# Altium PCB YarnControl_Connect_v1.2.PcbDoc
Units mm, origin at the board's own origin, x right, y up, seen from the top; angles counter-clockwise.
Board outline 140 x 55 mm, 2 copper layers (Top Layer, Bottom Layer); 17 components, 30 nets, 78 pads, 0 vias.
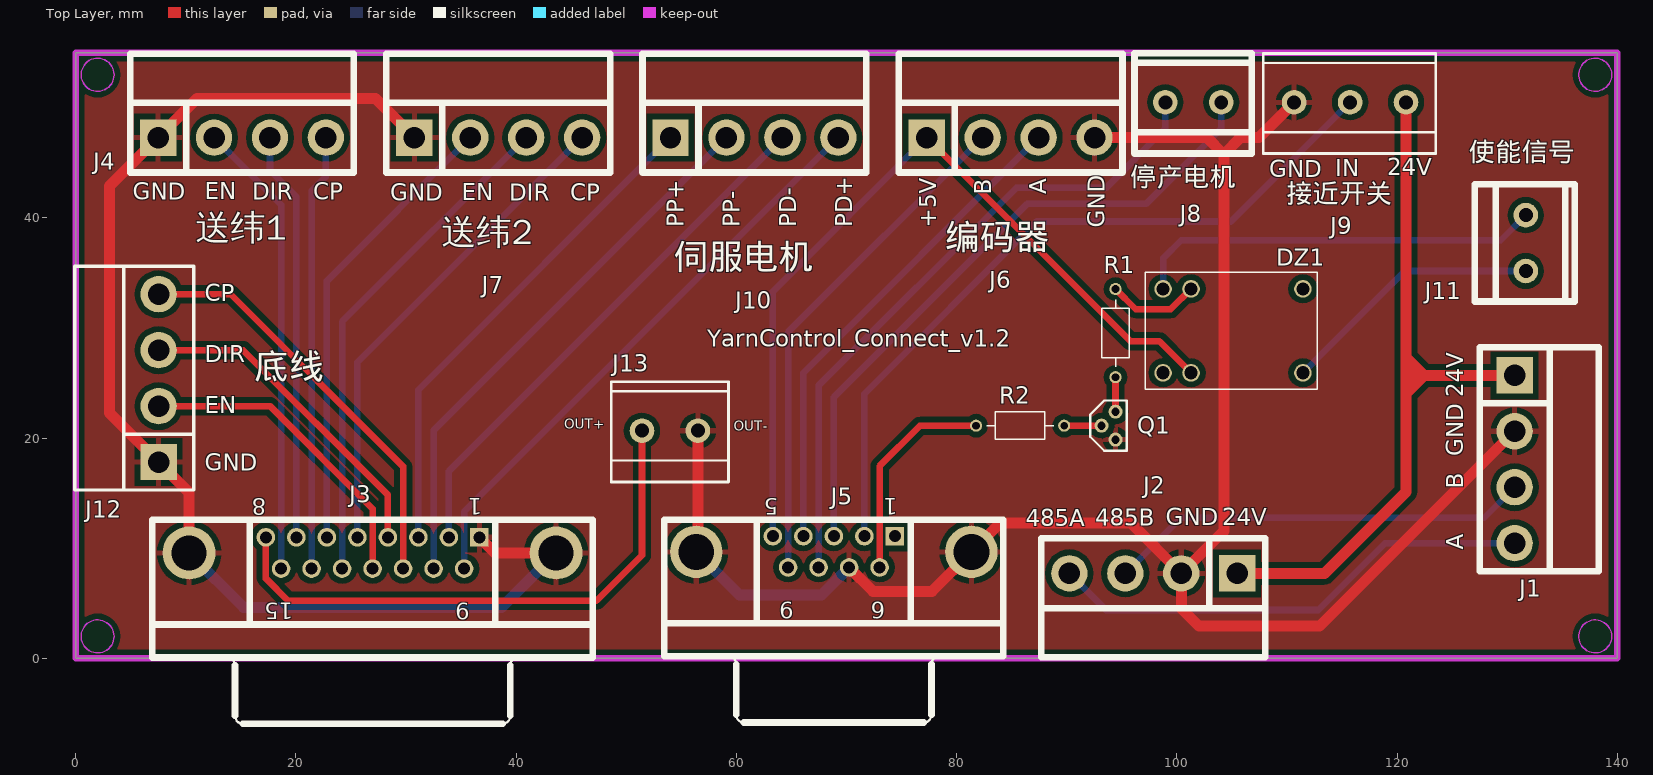
[diagram p0: Top Layer view]
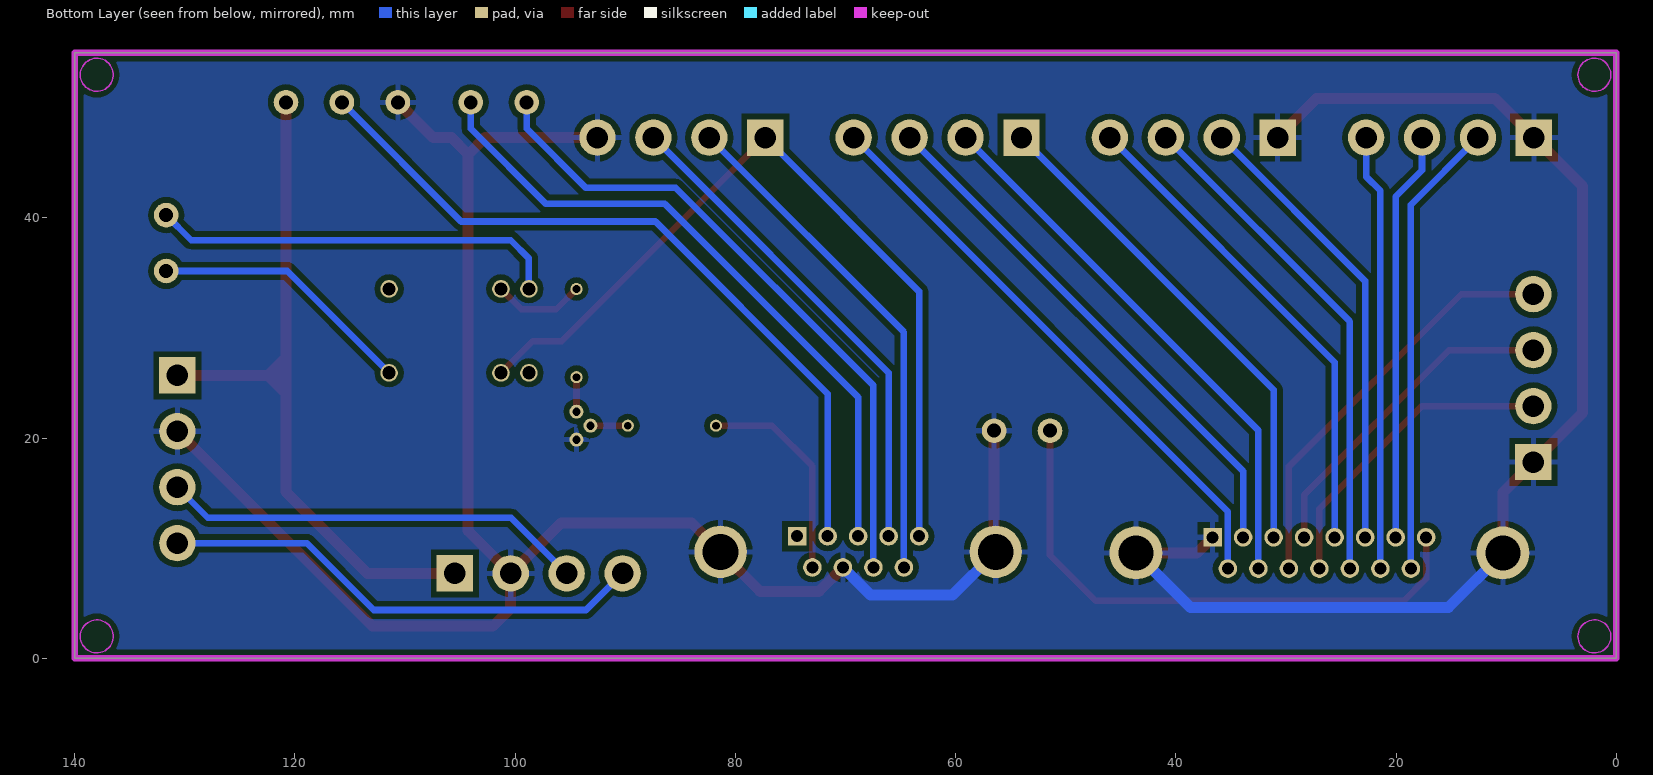
[diagram p1: Bottom Layer view, seen from below]

## Layer stack, top to bottom
Top Layer: signal copper 0.0356
Dielectric: dielectric 0.32, FR-4, Dk 4.8
Bottom Layer: signal copper 0.0356

## Board outline
0,0 140,0 140,55 0,55

## Design rules (kind name [scope] priority, off if disabled: settings)
Clearance Clearance_1 [inpoly] p1: gap=0.508
Clearance [All] p2: gap=0.203
Height [All] p1: minheight=0 maxheight=50 prefheight=12.7
HoleSize [All] p1: absolutevalues=TRUE maxlimit=4 minlimit=0.025 maxpercent=80.000 minpercent=20.000
MinimumSolderMaskSliver [All] p1: minsoldermaskwidth=0
PolygonConnect [All] p1: connectstyle=Relief reliefconductorwidth=0.508 reliefentries=4 polygonreliefangle="90 Angle"
RoutingVias [All] p1: holewidth=0.3 width=1.27 viastyle="Through Hole" minholewidth=0.3 minwidth=0.6 maxholewidth=0.711 maxwidth=1.27
SilkToSilkClearance [All] p1: silktosilkclearance=0
SilkscreenOverComponentPads [All] p1: minsilkscreentomaskgap=0
SolderMaskExpansion [All] p1: expansion=0.102
Width [All] p1: maxlimit=3 minlimit=0.203 preferedwidth=0.254
23 further rules are at their usual default settings.

## Components (designator, comment, footprint, x,y, rotation, side; value= is the part's Value field where it differs from the comment)
DZ1 "HRS1H-S-5V" HRS1H-S-DC5 105.105,29.743 r0 top
J1 "SH-4" PWR 130.683,25.705 r90 top
J2 "SH-4" PWR 105.486,7.722 r0 top
J3 "D Connector 15" DSUB1.385-2H15 26.975,0.078 r180 top
J4 "SH-4" PWR 7.493,47.295 r180 top
J5 "D Connector 9" DSUB1.385-2H9 68.859,0.178 r180 top
J6 "SH-4" PWR 77.292,47.295 r180 top
J7 "SH-4" PWR 30.759,47.295 r180 top
J8 "SH-2" J508-2(1) 101.498,50.495 r0 top
J9 "SH-3" J508-3 110.655,50.495 r0 top
J10 "SH-4" PWR 54.026,47.295 r180 top
J11 "SH-2" J508-2(1) 131.699,37.719 r270 top
J12 "SH-4" PWR 7.544,17.831 r270 top
J13 "SH-2" J508-2(1) 53.975,20.676 r0 top
Q1 "8050" 901X 93.802,21.133 r270 top
R1 "0R" RES-TH-E12 94.437,29.54 r90 top
R2 "10K" RES-TH-E12 85.776,21.133 r180 top

## Footprints (in the part's own frame and the unit in brackets; to place one, negate y for a bottom-side part, rotate by r counter-clockwise, add the part's x,y. Pads: shape width x height; smd on the part's side, far side on the other; paste and mask are expansions set on the pad)
901X [mil]
  round 50 hole 30: 1(-50,25) 2(0,-25) 3(50,25)
  silkscreen extent -90,-65 90,65
DSUB1.385-2H9 [mm] "Connector; D Subminiature; 9 Position; Right Angle; Pitch 1.385 mm"
  rect 1.69x1.69 hole 1.09: 1(-5.54,-10.92)
  round 1.69 hole 1.09: 2(-2.77,-10.92) 3(0,-10.92) 4(2.77,-10.92) 5(5.54,-10.92) 6(-4.155,-8.08) 7(-1.385,-8.08) 8(1.385,-8.08) 9(4.155,-8.08)
  round 4.76 hole 3.26: 10(-12.495,-9.5) 11(12.495,-9.5)
  silkscreen extent -15.4,-12.4 15.4,6
DSUB1.385-2H15 [mm] "Connector; D Subminiature; 15 Position; Right Angle; Pitch 1.385 mm"
  rect 1.69x1.69 hole 1.09: 1(-9.695,-10.92)
  round 1.69 hole 1.09: 2(-6.925,-10.92) 3(-4.155,-10.92) 4(-1.385,-10.92) 5(1.385,-10.92) 6(4.155,-10.92) 7(6.925,-10.92) 8(9.695,-10.92) 9(-8.31,-8.08) 10(-5.54,-8.08) 11(-2.77,-8.08) 12(0,-8.08) 13(2.77,-8.08) 14(5.54,-8.08) 15(8.31,-8.08)
  round 4.8 hole 3.18: 16(-16.66,-9.5) 17(16.66,-9.5)
  silkscreen extent -20,-12.5 20,6
HRS1H-S-DC5 [mm]
  round 1.6 hole 1.2: 1(-6.35,-3.81) 2(-3.81,-3.81) 3(6.35,-3.81) 4(6.35,3.81) 5(-3.81,3.81) 6(-6.35,3.81)
  silkscreen extent -7.95,-5.31 7.65,5.31
J508-2(1) [mil]
  round 88 hole 50: 1(-100,0) 2(100,0)
  silkscreen extent -210,-183 209,175
J508-3 [mil]
  round 88 hole 50: 1(0,0) 2(200,0) 3(400,0)
  silkscreen extent -110,-183 506,175
PWR [mil]
  rect 130x130 hole 76.77: 1(0,0)
  round 130 hole 76.77: 2(-200,0) 3(-400,0) 4(-600,0)
  silkscreen extent -700,-300 100,125
RES-TH-E12 [mm]
  round 1.1 hole 0.7: 1(-4,0) 2(4,0)
  silkscreen extent -3.05,-1.25 3.05,1.25, body extent -2.74,-0.91 2.79,0.91, height 2.91

## Part data
J3: "Receptacle Assembly, 15 Position, Right Angle"
J5: "Receptacle Assembly, 9 Position, Right Angle"
Q1: library part NPN
R1 R2: library part RES, "电阻"

## Nets (pads, with @x,y where several pads share a name; then routed paths per layer and width w, separated by ;. In a path a pad name is that pad's centre, name@x,y a point inside that pad or via, vN(x,y) a via of type N, cw(c..) or ccw(c..) an arc to the next point about the centre after c; other vN are vias at no path point)
+5V: DZ1.2 J5.5 J6.1 | length 74.8
  Top Layer w0.6: J6.1 95.783,28.804 98.425,28.804 DZ1.2
  Bottom Layer w0.6: J5.5 63.319,33.322 J6.1
+24V: J1.1 J2.1 J9.3 | length 95.4
  Top Layer w0.6: 120.815,23.05 J9.3
  Top Layer w1: J2.1 113.411,7.722 120.815,15.126 J9.3 ; 120.815,24.066 122.453,25.705 ; 120.815,27.343 122.453,25.705 ; 121.094,25.705 122.453,25.705 ; J1.1 122.453,25.705
CLOSE_SW_IN: J5.2 J9.2 | length 68
  Bottom Layer w0.6: J5.2 71.629,24.03 87.274,39.675 104.915,39.675 J9.2
DAC_OUT: J3.8 J13.1 | length 50.8
  Top Layer w0.6: J3.8 17.28,7.257 19.304,5.232 47.295,5.232 51.435,9.373 J13.1@51.435,19.761
DIFF_OUTPUT1+: J3.9 J10.4 | length 53.2
  Bottom Layer w0.6: J3.9 35.285,13.314 J10.4
DIFF_OUTPUT1-: J3.2 J10.3 | length 48.8
  Bottom Layer w0.6: J3.2 33.9,17.009 J10.3
DIFF_OUTPUT2+: J3.3 J10.1 | length 45.8
  Bottom Layer w0.6: J3.3 31.13,24.399 J10.1
DIFF_OUTPUT2-: J3.10 J10.2 | length 50.2
  Bottom Layer w0.6: J3.10 32.515,20.704 J10.2
EN1: DZ1.6 J11.1 | length 37.3
  Bottom Layer w0.6: DZ1.6 98.755,36.322 100.406,37.973 129.413,37.973 J11.1
EN2: DZ1.3 J11.2 | length 24.1
  Bottom Layer w0.6: DZ1.3 120.701,35.179 J11.2
ENCODER_B: J5.4 J6.3 | length 45
  Bottom Layer w0.6: J5.4 66.089,25.932 J6.3
ENCODER_C: J5.9 J6.2 | length 46.4
  Bottom Layer w0.6: J5.9 64.704,29.627 J6.2
GND: J1.2 J2.2 J3.1 J3.16 J3.17 J4.1 J5.7 J5.10 J5.11 J6.4 J7.1 J9.1 J12.1 J13.2 Q1.3 | length 277.9
  Top Layer w1: J3.17 10.315,15.06 J12.1 3.099,22.276 3.099,42.901 J4.1 11.024,50.825 27.229,50.825 J7.1 ; J3.1 38.09,9.578 J3.16 ; J5.11@56.264,9.578 J5.11 56.515,9.828 J13.2@56.515,19.761 ; J5.7 72.406,6.096 77.773,6.096 J5.10 83.97,12.294 95.834,12.294 J2.2 ; J6.4 102.743,47.295 104.267,45.771 ; J9.1 107.455,47.295 105.791,47.295 104.267,45.771 ; J1.2 112.979,2.921 102.032,2.921 100.406,4.547 J2.2 ; J2.2 104.267,11.582 104.267,45.771
  Bottom Layer w1: J3.17 15.27,4.623 38.68,4.623 J3.16 ; J5.11 60.276,5.766 67.752,5.766 J5.7
NetDZ1_5: DZ1.5 R1.2 | length 8.4
  Top Layer w0.6: R1.2 96.278,31.699 99.441,31.699 DZ1.5
NetQ1_1: Q1.1 R1.1 | length 3.1
  Top Layer w0.6: Q1.1 R1.1
NetQ1_2: Q1.2 R2.1 | length 3.4
  Top Layer w0.6: R2.1 Q1.2
RELAY1: J5.8 J8.1 | length 60.1
  Bottom Layer w0.6: J5.8 67.474,24.777 85.42,42.723 93.574,42.723 98.958,48.108 J8.1
RELAY2: J5.3 J8.2 | length 60.3
  Bottom Layer w0.6: J5.3 68.859,23.724 86.411,41.275 97.206,41.275 104.038,48.108 J8.2
RS485_A: J1.4 J2.4 | length 44.3
  Bottom Layer w0.6: J2.4 93.574,4.394 112.852,4.394 118.923,10.465 J1.4
RS485_B: J1.3 J2.3 | length 38.6
  Bottom Layer w0.6: J2.3 100.381,12.776 127.914,12.776 J1.3
SERVO_EN: J5.6 R2.2 | length 19.5
  Top Layer w0.6: J5.6 73.014,17.465 76.683,21.133 R2.2
STEP_MOTOR1_CP: J3.14 J4.4 | length 39.7
  Bottom Layer w0.6: J3.14 21.435,42.466 22.733,43.764 J4.4
STEP_MOTOR1_DIR: J3.7 J4.3 | length 37.3
  Bottom Layer w0.6: J4.3 17.653,44.323 20.05,41.926 J3.7
STEP_MOTOR1_EN: J3.15 J4.2 | length 41.7
  Bottom Layer w0.6: J4.2 18.665,41.203 J3.15
STEP_MOTOR2_CP: J3.5 J7.4 | length 44.8
  Bottom Layer w0.6: J3.5 25.59,26.885 J7.4
STEP_MOTOR2_DIR: J3.13 J7.3 | length 46.1
  Bottom Layer w0.6: J3.13 24.205,30.58 J7.3
STEP_MOTOR2_EN: J3.6 J7.2 | length 41.7
  Bottom Layer w0.6: J3.6 22.82,34.275 J7.2
STEP_MOTOR3_CP: J3.11 J12.4 | length 37.9
  Top Layer w0.6: J12.4 14.097,33.071 29.745,17.423 J3.11
STEP_MOTOR3_DIR: J3.4 J12.3 | length 30.1
  Top Layer w0.6: J12.3 15.215,27.991 28.36,14.846 J3.4
STEP_MOTOR3_EN: J3.12 J12.2 | length 28.7
  Top Layer w0.6: J12.2 17.653,22.911 26.975,13.589 J3.12
pads on no net: DZ1.1 DZ1.4 J5.1

## Polygon pours and split planes (outlines as drawn)
GND on Top Layer "Top Layer-No Net" (solid, remove dead copper, pour order 1000): 0,55 0,0 140,0 140,55
GND on Bottom Layer "Top Layer-No Net" (solid, remove dead copper, pour order 1001): 0,55 0,0 140,0 140,54.725 139.725,55

## Keep-outs
Keep-Out Layer:
  circle w0.127: c138,53 r1.5
  circle w0.127: c138,2 r1.5
  circle w0.127: c2,53 r1.5
  circle w0.127: c2,2 r1.5
  lines w0.6: 0,0 0,55 140,55 140,0 0,0

## Silkscreen, mask and mechanical layers (free items; w line width, h text height)
Top Overlay:
  text "使能信号" at 126.517,44.552 h3
  text "24V" at 119.101,43.866 h1.52
  text "IN" at 114.376,43.79 h1.52
  text "GND" at 108.382,43.713 h1.52
  text "停产电机" at 95.783,42.266 h3
  text "A" at 88.138,42.139 h1.52 r90
  text "B" at 83.134,42.113 h1.52 r90
  text "EN" at 11.709,41.681 h1.52
  text "DIR" at 16.027,41.656 h1.52
  text "GND" at 5.207,41.631 h1.52
  text "CP" at 21.565,41.631 h1.52
  text "EN" at 35.077,41.605 h1.52
  text "DIR" at 39.395,41.58 h1.52
  text "GND" at 28.575,41.554 h1.52
  text "CP" at 44.933,41.554 h1.52
  text "接近开关" at 109.957,40.767 h3
  text "PP+" at 55.245,39.167 h1.52 r90
  text "PP-" at 60.333,39.167 h1.52 r90
  text "PD-" at 65.422,39.167 h1.52 r90
  text "PD+" at 70.51,39.167 h1.52 r90
  text "GND" at 93.447,39.116 h1.52 r90
  text "+5V" at 78.156,39.091 h1.52 r90
  text "送纬1" at 10.897,37.262 h4
  text "送纬2" at 33.274,36.855 h4
  text "编码器" at 78.918,36.398 h4
  text "伺服电机" at 54.305,34.569 h4
  text "CP" at 11.735,32.436 h1.52
  text "YarnControl_Connect_v1.2" at 57.353,28.321 h1.52
  text "DIR" at 11.735,26.899 h1.52
  text "底线" at 16.231,24.613 h4
  text "24V" at 126.035,23.724 h1.52 r90
  text "EN" at 11.735,22.276 h1.52
  text "OUT+" at 44.374,20.549 h1.52
  text "OUT-" at 59.766,20.371 h1.52
  text "GND" at 126.035,18.339 h1.52 r90
  text "GND" at 11.735,17.043 h1.52
  text "B" at 126.035,15.418 h1.52 r90
  text "GND" at 98.984,12.09 h1.52
  text "24V" at 104.115,12.09 h1.52
  text "485B" at 92.583,12.04 h1.52
  text "485A" at 86.284,11.989 h1.52
  text "A" at 126.035,9.855 h1.52 r90

## Dimensions
0,0 to 0,55 on Top Overlay
0,0 to 140,0 on Top Overlay

## Text inside footprints (layer, text, board x,y; h text height)
J3: Top Overlay "1" at 36.92,14.553 h1.5 r180; Top Overlay "8" at 17.323,14.553 h1.5 r180; Top Overlay "15" at 19.79,5.053 h1.5 r180; Top Overlay "9" at 35.785,5.053 h1.5 r180
J5: Top Overlay "1" at 74.649,14.553 h1.5 r180; Top Overlay "5" at 63.819,14.553 h1.5 r180; Top Overlay "9" at 65.204,5.153 h1.5 r180; Top Overlay "6" at 73.514,5.153 h1.5 r180